# Altium PCB bms_R00.PcbDoc (part 2 of 3)
Units mm, origin at the board's own origin, x right, y up, seen from the top; angles counter-clockwise.
Board outline 110 x 142 mm, 2 copper layers (Top Layer, Bottom Layer); 311 components, 169 nets, 819 pads, 521 vias.
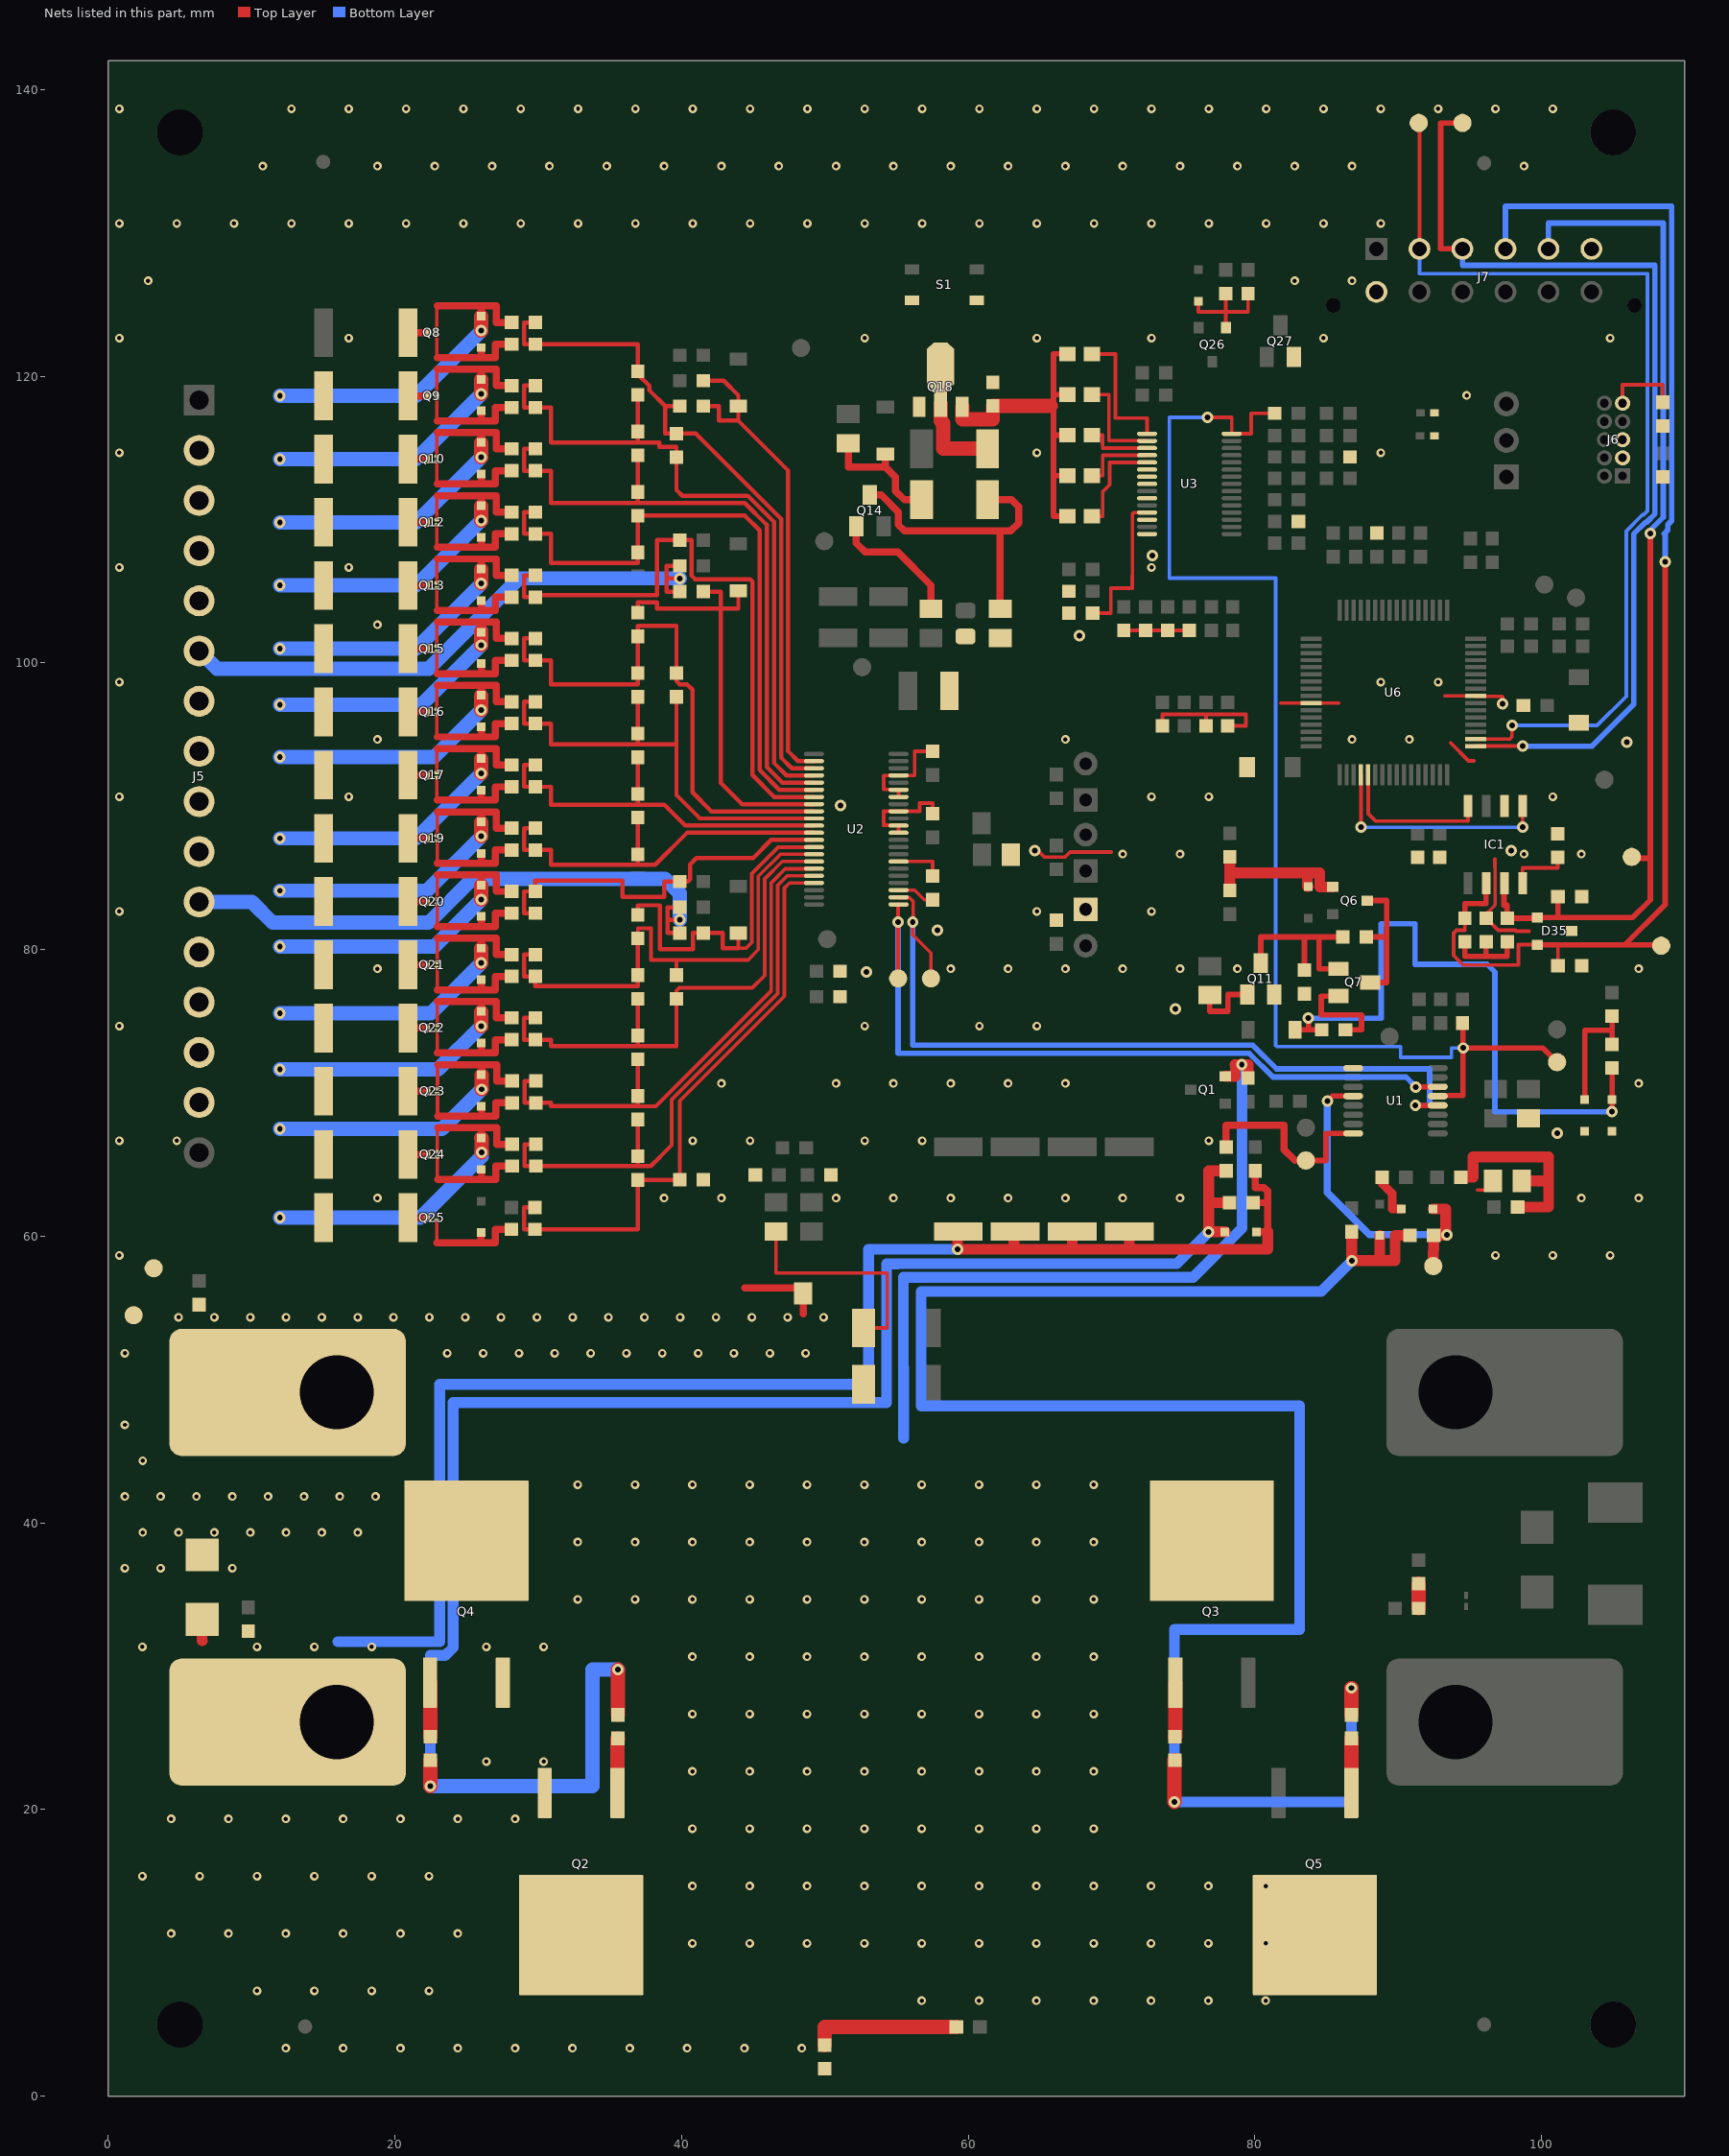
[diagram p2: the nets of this part, all layers, seen from the top]

## Via types
v1: diameter 0.6, hole 0.3, Top Layer to Bottom Layer, tented both sides, 380 vias
v2: diameter 0.8, hole 0.4, Top Layer to Bottom Layer, tented both sides, 141 vias

## Nets (pads, with @x,y where several pads share a name; then routed paths per layer and width w, separated by ;. In a path a pad name is that pad's centre, name@x,y a point inside that pad or via, vN(x,y) a via of type N, cw(c..) or ccw(c..) an arc to the next point about the centre after c; other vN are vias at no path point) (continued)
BATT+: C3.1 D1.K D4.2 J3.1 Q2.3 Q4.3 R4.1 R5.2 R6.2 R7.2 R8.2 R10.2 R12.2 | length 106.8
  Top Layer w0.5: R10.2@79.883,62.332 80.899,62.332 ; R12.2@80.035,64.555 80.035,63.398 80.646,63.398 80.899,63.145 80.899,62.332 ; D4.2@80.119,60.3 80.899,60.3 80.899,62.332
  Top Layer w0.75: D1.K@6.553,33.259 6.553,31.775 6.579,31.775 ; R5.2@59.309,60.322 59.258,60.272 v2(59.258,59.08) 63.195,59.08 ; R6.2@63.288,60.322 63.195,60.322 63.195,59.08 ; R7.2@67.268,60.322 67.268,59.08 ; R8.2@71.247,60.322 71.247,59.08 ; 80.899,60.3 80.899,59.08 71.247,59.08 ; 63.195,59.08 67.268,59.08 ; 67.268,59.08 71.247,59.08
  Bottom Layer w0.75: 16.027,31.699 23.124,31.699 23.124,49.657 53.061,49.657 53.061,59.08 v2(59.258,59.08)
  other v1: 12.389,3.344 16.389,3.344 20.389,3.344 24.389,3.344 28.389,3.344 32.389,3.344 36.389,3.344 40.389,3.344 44.389,3.344 48.389,3.344 10.389,7.344 14.389,7.344 18.389,7.344 22.389,7.344 4.389,11.344 8.389,11.344 12.389,11.344 16.389,11.344 20.389,11.344 24.389,11.344 2.389,15.344 6.389,15.344 10.389,15.344 14.389,15.344 18.389,15.344 22.389,15.344 4.389,19.344 8.389,19.344 12.389,19.344 16.389,19.344 20.389,19.344 24.389,19.344 28.389,19.344 26.389,23.344 30.389,23.344 2.389,31.344 10.389,31.344 14.389,31.344 18.389,31.344 26.389,31.344 30.389,31.344
BATT-: D1.A J1.1 NT1.2 R1.1 R2.1 R3.1 R81.1 TP20.1 | length 17.2
  Top Layer w0.254: R81.1@46.596,60.325 46.596,57.429 54.356,57.429 54.356,53.594 R2.1@52.7,53.594
  Top Layer w0.5: 48.489,54.585 NT1.2@48.489,55.626
  other v1: 1.161,36.834 3.661,36.834 8.661,36.834 2.411,39.334 4.911,39.334 7.411,39.334 9.911,39.334 12.411,39.334 14.911,39.334 17.411,39.334 1.161,41.834 3.661,41.834 6.161,41.834 8.661,41.834 11.161,41.834 13.661,41.834 16.161,41.834 18.661,41.834 2.411,44.334 1.161,46.834 1.161,51.834 23.661,51.834 26.161,51.834 28.661,51.834 31.161,51.834 33.661,51.834 36.161,51.834 38.661,51.834 41.161,51.834 43.661,51.834 46.161,51.834 48.661,51.834 4.911,54.334 7.411,54.334 9.911,54.334 12.411,54.334 14.911,54.334 17.411,54.334 19.911,54.334 22.411,54.334 24.911,54.334 27.411,54.334 29.911,54.334 32.411,54.334 34.911,54.334 37.411,54.334 39.911,54.334 42.411,54.334 44.911,54.334 47.411,54.334 49.911,54.334
C1: D27.2 J5.15 Q24.2 R76.1 R77.2 | length 25.8
  Top Layer w0.25: Q24.2@22.956,65.976 22.956,67.555
  Top Layer w0.254: 22.956,67.555 22.985,67.555
  Top Layer w0.5: 22.985,67.555 26.06,67.555 ; D27.2@26.06,66.857 26.06,67.555 ; R76.1@28.182,66.412 27.102,66.412 27.102,67.555 26.06,67.555
  Top Layer w1: D27.2@26.035,66.857 26.06,66.831 v2(26.06,65.837)
  Bottom Layer w1: v2(11.985,61.29) 21.793,61.29 26.06,65.557 v2(26.06,65.837)
C2: D26.2 J5.14 Q23.2 R73.1 R74.2 | length 24.9
  Top Layer w0.25: Q23.2@22.956,70.386 22.985,70.415 22.985,71.965
  Top Layer w0.254: 22.956,71.965 22.985,71.965
  Top Layer w0.5: 22.985,71.965 26.06,71.965 ; D26.2@26.06,71.267 26.06,71.965 ; R73.1@28.182,70.822 27.102,70.822 27.102,71.965 26.06,71.965
  Top Layer w1: v2(26.06,70.247) D26.2@26.06,71.242
  Bottom Layer w1: v2(11.985,67.479) 23.292,67.479 v2(26.06,70.247)
C3: D25.2 J5.13 Q22.2 R70.1 R71.2 | length 25
  Top Layer w0.25: Q22.2@22.931,74.797 22.96,74.826 22.96,76.376
  Top Layer w0.254: 22.931,76.376 22.96,76.376
  Top Layer w0.5: 22.96,76.376 26.035,76.376 ; D25.2@26.035,75.678 26.035,76.376 ; R70.1@28.156,75.233 27.076,75.233 27.076,76.376 26.035,76.376
  Top Layer w1: v2(26.035,74.658) D25.2@26.035,75.652
  Bottom Layer w1: v2(11.985,71.635) 23.012,71.635 v2(26.035,74.658)
C4: D24.2 J5.12 Q21.2 R67.1 R68.2 | length 25.2
  Top Layer w0.25: Q21.2@22.931,79.207 22.96,79.236 22.96,80.787
  Top Layer w0.254: 22.931,80.787 22.96,80.787
  Top Layer w0.5: 22.96,80.787 26.035,80.787 ; D24.2@26.035,80.088 26.035,80.787 ; R67.1@28.156,79.644 27.076,79.644 27.076,80.787 26.035,80.787
  Top Layer w1: v2(26.035,79.068) D24.2@26.035,80.062
  Bottom Layer w1: v2(11.985,75.538) 22.505,75.538 v2(26.035,79.068)
C5: D22.2 J5.11 Q20.2 R62.1 R63.1 R64.1 R65.2 | length 67.1
  Top Layer w0.25: Q20.2@22.931,83.618 22.96,83.647 22.96,85.197
  Top Layer w0.254: 22.931,85.197 22.96,85.197
  Top Layer w0.3: v2(39.878,82.067) 39.04,82.067 ; R64.1@39.879,81.143 39.04,81.143 39.04,82.067 ; R63.1@39.879,82.939 39.04,82.939 39.04,82.067
  Top Layer w0.5: 22.96,85.197 26.035,85.197 ; D22.2@26.035,84.499 26.035,85.197 ; R62.1@28.156,84.054 27.076,84.054 27.076,85.197 26.035,85.197
  Top Layer w1: v2(26.035,83.479) D22.2@26.035,84.473
  Bottom Layer w1: J5.11@6.35,83.323 10.022,83.323 11.481,81.864 22.352,81.864 25.425,84.938 38.862,84.938 39.878,83.922 v2(39.878,82.067) ; v2(11.985,80.202) 22.758,80.202 v2(26.035,83.479)
C6: D21.2 J5.10 Q19.2 R59.1 R60.2 | length 25.3
  Top Layer w0.25: Q19.2@22.931,88.028 22.96,88.057 22.96,89.608
  Top Layer w0.254: 22.931,89.608 22.96,89.608
  Top Layer w0.5: 22.96,89.608 26.035,89.608 ; D21.2@26.035,88.91 26.035,89.608 ; R59.1@28.156,88.465 27.076,88.465 27.076,89.608 26.035,89.608
  Top Layer w1: v2(26.035,87.889) D21.2@26.035,88.884
  Bottom Layer w1: v2(11.985,84.105) 22.25,84.105 v2(26.035,87.889)
C7: D20.2 J5.9 Q17.2 R55.1 R56.2 | length 25.6
  Top Layer w0.25: Q17.2@22.931,92.439 22.931,94.018
  Top Layer w0.254: 22.931,94.018 22.96,94.018
  Top Layer w0.5: 22.96,94.018 26.035,94.018 ; D20.2@26.035,93.319 26.035,94.018 ; R55.1@28.156,92.875 27.076,92.875 27.076,94.018 26.035,94.018
  Top Layer w1: v2(26.035,92.3) D20.2@26.035,93.295
  Bottom Layer w1: v2(11.985,87.753) 21.488,87.753 v2(26.035,92.3)
C8: D19.2 J5.8 Q16.2 R52.1 R53.2 | length 25
  Top Layer w0.25: Q16.2@22.931,96.849 22.931,98.429
  Top Layer w0.254: 22.931,98.429 22.96,98.429
  Top Layer w0.5: 22.96,98.429 26.035,98.429 ; D19.2@26.035,97.729 26.035,98.429 ; R52.1@28.156,97.286 27.076,97.286 27.076,98.429 26.035,98.429
  Top Layer w1: v2(26.035,96.71) D19.2@26.035,97.704
  Bottom Layer w1: v2(11.985,93.434) 22.759,93.434 v2(26.035,96.71)
C9: D18.2 J5.7 Q15.2 R49.1 R50.2 | length 25.4
  Top Layer w0.25: Q15.2@22.931,101.26 22.931,102.839
  Top Layer w0.254: 22.931,102.839 22.96,102.839
  Top Layer w0.5: 22.96,102.839 26.035,102.839 ; D18.2@26.035,102.14 26.035,102.839 ; R49.1@28.156,101.696 27.076,101.696 27.076,102.839 26.035,102.839
  Top Layer w1: v2(26.035,101.241) D18.2@26.035,102.14 ; D18.2@26.035,102.14 D18.2@26.035,102.235
  Bottom Layer w1: v2(11.985,97.082) 21.877,97.082 v2(26.035,101.241)
C10: D15.2 J5.6 Q13.2 R40.1 R43.1 R45.1 R46.2 | length 66.8
  Top Layer w0.25: Q13.2@22.931,105.67 22.931,107.25
  Top Layer w0.254: 22.931,107.25 22.96,107.25
  Top Layer w0.3: R45.1@39.879,104.969 38.964,104.969 38.964,105.893 ; R43.1@39.879,106.764 38.964,106.764 38.964,105.893 ; v2@39.903,105.893 v2(39.878,105.893) 38.964,105.893
  Top Layer w0.5: 22.96,107.25 26.035,107.25 ; D15.2@26.035,106.55 26.035,107.25 ; R40.1@28.156,106.107 27.076,106.107 27.076,107.25 26.035,107.25
  Top Layer w1: v2(26.035,105.531) D15.2@26.035,106.525
  Bottom Layer w1: J5.6@6.35,100.823 7.58,99.593 22.377,99.593 28.677,105.893 v2(39.878,105.893) ; v2(11.985,100.985) 21.489,100.985 v2(26.035,105.531)
C11: D14.2 J5.5 Q12.2 R37.1 R38.2 | length 25.6
  Top Layer w0.25: Q12.2@22.931,110.081 22.931,111.66
  Top Layer w0.254: 22.931,111.66 22.96,111.66
  Top Layer w0.5: 22.96,111.66 26.035,111.66 ; D14.2@26.035,110.962 26.035,111.66 ; R37.1@28.156,110.517 27.076,110.517 27.076,111.66 26.035,111.66
  Top Layer w1: v2(26.035,109.941) D14.2@26.035,110.936
  Bottom Layer w1: v2(11.985,105.395) 21.489,105.395 v2(26.035,109.941)
C12: D13.2 J5.4 Q10.2 R33.1 R35.2 | length 25.6
  Top Layer w0.25: Q10.2@22.931,114.492 22.931,116.071
  Top Layer w0.254: 22.931,116.071 22.96,116.071
  Top Layer w0.5: 22.96,116.071 26.035,116.071 ; D13.2@26.035,115.371 26.035,116.071 ; R33.1@28.156,114.928 27.076,114.928 27.076,116.071 26.035,116.071
  Top Layer w1: v2(26.035,114.351) D13.2@26.035,115.346
  Bottom Layer w1: v2(11.985,109.806) 21.49,109.806 v2(26.035,114.351)
C13: D11.2 J5.3 Q9.2 R30.1 R31.2 | length 25.6
  Top Layer w0.2: Q9.2@22.931,118.877 22.931,119.008
  Top Layer w0.25: 22.931,119.008 22.931,120.481
  Top Layer w0.254: 22.931,120.481 22.96,120.481
  Top Layer w0.5: 22.96,120.481 26.035,120.481 ; D11.2@26.035,119.783 26.035,120.481 ; R30.1@28.156,119.338 27.076,119.338 27.076,120.481 26.035,120.481
  Top Layer w1: v2(26.035,118.763) D11.2@26.035,119.758
  Bottom Layer w1: v2(11.985,114.217) 21.488,114.217 v2(26.035,118.763)
C14: D9.2 J5.2 Q8.2 R25.1 R28.2 | length 25.6
  Top Layer w0.25: Q8.2@22.931,123.313 22.931,124.892
  Top Layer w0.254: 22.931,124.892 22.96,124.892
  Top Layer w0.5: 22.96,124.892 26.035,124.892 ; D9.2@26.035,124.193 26.035,124.892 ; R25.1@28.156,123.749 27.076,123.749 27.076,124.892 26.035,124.892
  Top Layer w1: v2(26.035,123.174) D9.2@26.035,124.168
  Bottom Layer w1: v2(11.985,118.627) 21.488,118.627 v2(26.035,123.174)
"CAN0 RX": IC1.4 U6.21 | length 11
  Top Layer w0.254: U6.21@87.91,92.199 87.91,89.484 88.443,88.951 94.869,88.951 IC1.4@94.869,90.018
"CAN0 TX": IC1.1 U6.20 | length 16.4
  Top Layer w0.254: v2(87.41,88.527) U6.20@87.41,92.199 ; v2(98.679,88.544) IC1.1@98.679,90.018
  Bottom Layer w0.254: v2(87.41,88.527) 98.671,88.527 98.679,88.519 v2(98.679,88.544)
CANH: C56.2 D35.1 IC1.7 J7.5 R104.2 TP16.1 | length 73.8
  Top Layer w0.381: IC1.7@97.409,84.618 97.384,84.618 97.384,83.083 97.612,83.083 R104.2@97.612,82.181 99.714,82.181 D35.1@99.714,82.231 101.156,82.231 ; C56.2@101.156,83.693 101.156,82.231 ; TP16.1@106.299,86.462 106.299,86.36 107.592,86.36 ; v2(107.592,109.019) 107.592,86.36 ; 101.156,82.231 106.361,82.231 107.592,83.462 107.592,86.36
  Bottom Layer w0.381: J7.5@100.491,128.88 100.491,130.683 108.506,130.683 108.506,110.152 107.372,109.019 v2(107.592,109.019)
CANL: C59.1 D35.2 IC1.6 J7.4 R106.1 TP19.1 | length 92.5
  Top Layer w0.254: R106.1@94.666,82.181 94.666,81.333 94.068,81.333 93.876,81.142 93.876,79.585 94.544,78.918 98.402,78.918 98.402,80.331 D35.2@99.714,80.331 ; C59.1@101.156,78.867 101.156,80.331
  Top Layer w0.381: R106.1@94.666,82.181 94.666,83.21 96.139,83.21 IC1.6@96.139,84.618 ; D35.2@99.714,80.331 101.156,80.331 105.832,80.331 ; TP19.1@108.356,80.112 108.356,80.331 105.832,80.331 ; v2(108.636,107.036) 108.636,83.134 105.832,80.331
  Bottom Layer w0.381: J7.4@97.491,128.88 97.491,131.851 109.087,131.851 109.087,109.912 108.814,109.639 108.814,109.271 108.56,109.017 108.636,108.941 v2(108.636,107.036)
CAP1: C28.2 Q18.1 U2.7 | length 3.5
  Top Layer w0.254: U2.7@55.147,86.142 57.531,86.142 57.531,85.376 C28.2@57.277,85.122
CAP2: C25.2 U2.11 U2.12 U2.14 | length 7.3
  Top Layer w0.254: U2.11@55.147,88.142 U2.12@55.147,88.642 55.147,88.665 54.102,88.665 54.102,89.642 U2.14@55.147,89.642 56.628,89.642 56.628,90.221 57.531,90.221 C25.2@57.531,89.471
CAP3: C23.2 U2.16 U2.17 U2.19 | length 7.7
  Top Layer w0.254: U2.16@55.147,90.642 U2.17@55.147,91.142 55.147,91.165 54.102,91.165 54.102,92.142 U2.19@55.147,92.142 56.261,92.142 56.261,93.82 C23.2@57.531,93.82
CD: Q1.2 Q2.2 Q3.2 Q4.2 Q5.2 R9.2 | length 51.1
  Top Layer w0.75: Q1.2@77.933,71.156 78.638,71.156 78.638,71.933 78.613,71.958 v2(79.096,71.958) 79.527,71.958 R9.2@79.527,71.031
  Bottom Layer w0.75: 55.499,45.898 55.474,56.032 55.474,57.125 75.692,57.125 79.121,60.554 v2@79.121,71.958
  other v1: 56.755,6.654 60.755,6.654 64.755,6.654 68.755,6.654 72.755,6.654 76.755,6.654 80.755,6.654 40.755,10.654 44.755,10.654 48.755,10.654 52.755,10.654 56.755,10.654 60.755,10.654 64.755,10.654 68.755,10.654 72.755,10.654 76.755,10.654 80.755,10.654 40.755,14.654 44.755,14.654 48.755,14.654 52.755,14.654 56.755,14.654 60.755,14.654 64.755,14.654 68.755,14.654 72.755,14.654 76.755,14.654 80.755,14.654 40.755,18.654 44.755,18.654 48.755,18.654 52.755,18.654 56.755,18.654 60.755,18.654 64.755,18.654 68.755,18.654 40.755,22.654 44.755,22.654 48.755,22.654 52.755,22.654 56.755,22.654 60.755,22.654 64.755,22.654 68.755,22.654 40.755,26.654 44.755,26.654 48.755,26.654 52.755,26.654 56.755,26.654 60.755,26.654 64.755,26.654 68.755,26.654 40.755,30.654 44.755,30.654 48.755,30.654 52.755,30.654 56.755,30.654 60.755,30.654 64.755,30.654 68.755,30.654 32.755,34.654 36.755,34.654 40.755,34.654 44.755,34.654 48.755,34.654 52.755,34.654 56.755,34.654 60.755,34.654 64.755,34.654 68.755,34.654 32.755,38.654 36.755,38.654 40.755,38.654 44.755,38.654 48.755,38.654 52.755,38.654 56.755,38.654 60.755,38.654 64.755,38.654 68.755,38.654 32.755,42.654 36.755,42.654 40.755,42.654 44.755,42.654 48.755,42.654 52.755,42.654 56.755,42.654 60.755,42.654 64.755,42.654 68.755,42.654
CGATE: D4.1 L1.1 L2.1 R10.1 R13.1 | length 125.6
  Top Layer w0.75: D4.1@77.919,60.3 v2(76.784,60.3) 76.784,62.332 ; R13.1@78.003,64.555 76.784,64.555 76.784,62.332 ; R10.1@78.233,62.332 76.784,62.332
  Top Layer w1: v2(22.479,21.615) L2.1@22.479,23.432 ; L1.1@35.56,26.606 v2(35.56,29.769)
  Bottom Layer w0.75: v2(22.479,21.615) 22.479,30.749 23.518,30.749 24.074,31.306 24.074,48.387 54.305,48.387 54.305,58.064 55.07,58.064 55.08,58.075 74.559,58.075 v2(76.784,60.3)
  Bottom Layer w1: v2(22.479,21.615) 33.782,21.615 33.782,29.769 v2(35.56,29.769)
CHG: R13.2 TP1.1 U1.16 | length 14.3
  Top Layer w0.381: 82.804,65.278 TP1.1@83.566,65.278 84.974,65.278 84.974,67.169 U1.16@86.864,67.169
  Top Layer w0.5: R13.2@78.003,66.205 78.003,67.742 82.042,67.742 82.042,66.04 82.804,65.278
CHG_EN: TP3.1 U1.4 U2.2 | length 57.5
  Top Layer w0.254: U2.2@55.147,83.642 55.147,83.619 55.895,83.619 56.174,83.34 56.174,81.915 v2(56.134,81.915) 56.134,81.026 57.404,79.756 TP3.1@57.404,77.978
  Top Layer w0.381: v2(91.211,69.119) U1.4@92.764,69.119
  Bottom Layer w0.381: v2(56.134,81.915) 56.134,73.33 79.858,73.33 81.512,71.676 92.202,71.676 92.202,69.119 v2(91.211,69.119)
CP_EN: R91.2 RDNP3.2 TP4.1 U1.5 U3.15 | length 89.5
  Top Layer w0.254: v2(76.708,117.119) 78.388,117.119 U3.15@78.388,115.983 79.756,115.983 79.756,117.411 R91.2@81.395,117.411
  Top Layer w0.381: U1.5@92.764,69.769 92.764,69.803 94.536,69.803 94.536,74.867 RDNP3.2@94.488,74.867 ; v2(94.539,73.127) 100.101,73.127 TP4.1@101.092,72.136
  Bottom Layer w0.254: v2(76.708,117.119) 74.041,117.119 74.041,105.918 81.454,105.918 81.454,73.379 ; 81.454,73.314 81.537,73.231 90.17,73.231 90.17,72.469 93.716,72.469 93.716,73.127 v2(94.539,73.127)
DGATE: D5.1 L3.1 L4.1 R11.1 R15.1 | length 136.4
  Top Layer w0.75: R11.1@86.766,60.3 86.766,58.293 v2(86.792,58.293) 88.722,58.293 ; D5.1@88.722,60.046 88.722,58.293 ; R15.1@90.83,60.046 89.789,60.046 89.789,58.293 88.722,58.293
  Top Layer w1: v2(74.397,20.523) 74.397,23.432 L4.1@74.422,23.432 ; L3.1@86.741,26.606 v2(86.741,28.473)
  Bottom Layer w0.75: v2(86.741,28.473) 86.741,20.523 v2(74.397,20.523) 74.397,32.563 83.134,32.563 83.134,48.158 56.718,48.158 56.718,56.134 84.633,56.134 v2(86.792,58.293)
DSG: D6.1 R15.2 TP5.1 U1.12 | length 23.7
  Top Layer w0.381: v2(85.065,69.418) 85.414,69.769 U1.12@86.864,69.769
  Top Layer w0.75: D6.1@92.438,61.896 93.32,61.896 93.32,60.173 v2(93.396,60.096) ; TP5.1@92.456,57.912 R15.2@92.48,60.046 v2@93.396,60.046
  Bottom Layer w0.5: v2(85.065,69.418) 85.065,63.043 88.011,60.096 v2(93.396,60.096) v2@93.497,60.096
DSG_EN: TP6.1 U1.6 U2.1 | length 53
  Top Layer w0.254: TP6.1@55.118,77.978 v2(55.118,81.915) 55.118,83.142 U2.1@55.147,83.142
  Top Layer w0.381: v2(91.237,70.409) 91.237,70.419 U1.6@92.764,70.419
  Bottom Layer w0.381: v2(55.118,81.915) 55.118,72.749 79.617,72.749 81.271,71.095 90.551,71.095 v2(91.237,70.409)
GND: C6.1 C7.2 C18.1 C19.1 C21.1 C27.1 C28.1 C29.1 C31.1 C32.1 C40.1 C41.2 C43.1 C44.1 C45.1 C46.1 C47.1 C48.1 C49.1 C50.2 C51.1 C52.1 C53.2 C54.1 C55.1 C56.1 C57.2 C58.1 C59.2 D12.2 D35.3 DDNP1.2 IC1.2 J6.3 J6.5 J7.6 J7.7 NT1.1 Q11.2 Q27.2 R27.1 R58.1 R88.2 R89.2 R98.2 R99.2 R105.1 R107.2 R108.2 RT3.1 S1.3 S1.4 TP21.1 U1.9 U2.3 U3.21 U3.22 U3.23 U3.25 U3.28 U3.30 U4.1 U5.1 U6.10 U6.40 | length 47.3
  Top Layer w0.254: U2.3@55.147,84.142 56.269,84.142 56.939,83.472 C28.1@57.531,83.472 ; v2(64.643,86.893) 64.872,86.893 65.318,86.447 66.765,86.447 67.108,86.79 69.975,86.79 69.977,86.792 ; R89.2@70.866,102.26 C45.1@72.39,102.26 R88.2@73.914,102.26 C44.1@75.438,102.26 ; C48.1@73.558,95.593 73.558,96.395 76.606,96.395 ; C52.1@76.606,95.593 76.606,96.395 ; C51.1@78.104,95.593 79.375,95.593 79.375,96.395 76.606,96.395 ; 81.82,97.187 U6.10@83.922,97.187 85.845,97.187 ; R108.2@88.519,109.054 R108.2@88.671,109.207 ; 93.27,97.687 U6.40@95.398,97.687 95.421,97.664 97.23,97.664 97.282,97.612 v2(97.282,97.13) ; 93.675,94.412 94.92,93.167 95.301,93.167 ; 95.529,63.221 96.609,63.221 C7.2@96.609,63.856 ; 96.749,86.309 96.749,85.737 96.766,85.72 96.766,83.106 95.842,82.181 C58.1@96.139,82.181 96.987,81.333 98.21,81.333 98.263,81.28 99.136,81.28
  Top Layer w0.5: 44.425,56.388 NT1.1@48.489,56.388
  other v1: 0.787,58.655 96.787,58.655 100.787,58.655 104.787,58.655 18.787,62.655 38.787,62.655 42.787,62.655 50.787,62.655 54.787,62.655 58.787,62.655 62.787,62.655 66.787,62.655 70.787,62.655 74.787,62.655 102.787,62.655 106.787,62.655 0.787,66.655 4.787,66.655 40.787,66.655 44.787,66.655 52.787,66.655 56.787,66.655 76.787,66.655 42.787,70.655 50.787,70.655 54.787,70.655 58.787,70.655 62.787,70.655 66.787,70.655 106.787,70.655 0.787,74.655 52.787,74.655 60.787,74.655 64.787,74.655 18.787,78.655 58.787,78.655 62.787,78.655 66.787,78.655 70.787,78.655 74.787,78.655 78.787,78.655 106.787,78.655 0.787,82.655 64.787,82.655 72.787,82.655 70.787,86.655 74.787,86.655 98.787,86.655 102.787,86.655 0.787,90.655 16.787,90.655 72.787,90.655 76.787,90.655 100.787,90.655 18.787,94.655 66.787,94.655 86.787,94.655 90.787,94.655 0.787,98.655 88.787,98.655 92.787,98.655 18.787,102.655 0.787,106.655 16.787,106.655 72.787,106.655 0.787,114.655 64.787,114.655 88.787,114.655 94.787,118.655 0.787,122.655 16.787,122.655 52.787,122.655 64.787,122.655 72.787,122.655 84.787,122.655 104.787,122.655 2.787,126.655 82.787,126.655 86.787,126.655 0.787,130.655 4.787,130.655 8.787,130.655 12.787,130.655 16.787,130.655 20.787,130.655 24.787,130.655 28.787,130.655 32.787,130.655 36.787,130.655 40.787,130.655 44.787,130.655 48.787,130.655 52.787,130.655 56.787,130.655 60.787,130.655 64.787,130.655 68.787,130.655 72.787,130.655 76.787,130.655 80.787,130.655 84.787,130.655 88.787,130.655 10.787,134.655 18.787,134.655 22.787,134.655 26.787,134.655 30.787,134.655 34.787,134.655 38.787,134.655 42.787,134.655 46.787,134.655 50.787,134.655 54.787,134.655 58.787,134.655 62.787,134.655 66.787,134.655 70.787,134.655 74.787,134.655 78.787,134.655 82.787,134.655 86.787,134.655 98.787,134.655 0.787,138.655 12.787,138.655 16.787,138.655 20.787,138.655 24.787,138.655 28.787,138.655 32.787,138.655 36.787,138.655 40.787,138.655 44.787,138.655 48.787,138.655 52.787,138.655 56.787,138.655 60.787,138.655 64.787,138.655 68.787,138.655 72.787,138.655 76.787,138.655 80.787,138.655 84.787,138.655 88.787,138.655 92.787,138.655 96.787,138.655 100.787,138.655
  other v2: 101.117,67.183 74.473,75.844 52.908,78.435 57.861,81.331 97.892,86.893 51.105,90.043 105.943,94.463 67.767,101.905 72.847,107.493
"GND SENSE": J6.9 R107.1 | length 5.3
  Top Layer w0.254: J6.9@105.664,118.11 105.664,119.405 108.458,119.405 R107.1@108.458,118.173
LEDP: C32.2 D30.2 D31.2 D32.2 D33.2 D34.2 Q18.3 | length 24.2
  Top Layer w0.254: 65.964,116.985 65.964,117.018
  Top Layer w0.381: 65.964,116.985 65.964,115.887 ; 65.964,117.018 65.964,118.719 ; D34.2@66.93,110.223 65.964,110.223 65.964,113.055 ; D33.2@66.93,113.055 65.964,113.055 ; D32.2@66.93,115.887 65.964,115.887 ; D31.2@66.93,118.719 65.964,118.719 ; D30.2@66.93,121.551 65.964,121.551 65.964,118.719 ; 65.964,113.055 65.964,115.887
  Top Layer w1: Q18.3@59.586,117.861 59.586,116.985 61.722,116.985 C32.2@61.722,117.92 61.722,117.932 65.761,117.932
"LPUART0 RX": J7.2 TP17.1 U6.34 | length 68.8
  Top Layer w0.254: TP17.1@91.44,137.668 91.491,137.617 J7.2@91.491,128.88 ; U6.34@95.398,94.687 97.794,94.687 97.942,94.835 v2(97.942,95.631)
  Bottom Layer w0.254: J7.2@91.491,128.88 91.491,127.152 107.391,127.152 107.391,110.592 107.126,110.327 107.05,110.327 105.918,109.195 105.918,97.663 103.886,95.631 v2(97.942,95.631)
"LPUART0 TX": J7.3 TP18.1 U6.33 | length 70
  Top Layer w0.254: U6.33@95.398,94.187 v2(98.704,94.187)
  Top Layer w0.381: TP18.1@94.488,137.668 92.964,137.668 92.964,128.88 J7.3@94.491,128.88
  Bottom Layer w0.254: v2(98.704,94.187) v2@98.704,94.209
  Bottom Layer w0.381: J7.3@94.491,128.88 94.491,127.729 107.925,127.729 107.925,110.393 107.341,109.809 107.264,109.809 106.435,108.98 106.435,97.088 103.534,94.187 v2(98.704,94.187)
NetC1_1: C1.1 C2.2 | length 1.7
  Top Layer w1: C2.2@91.44,34.036 C1.1@91.44,35.751
NetC3_2: C3.2 C4.1 | length 10.4
  Top Layer w1: C3.2@50,3.555 50,4.826 C4.1@59.175,4.826
NetC7_1: C7.1 R16.1 R18.1 | length 15.1
  Top Layer w0.75: R18.1@94.367,64.11 95.225,64.11 95.225,65.532 100.508,65.532 100.508,63.856 ; R16.1@98.336,62.027 100.508,62.027 100.508,63.856 ; C7.1@98.641,63.856 100.508,63.856
NetC8_1: C8.1 D7.2 Q6.1 R19.1 | length 11.5
  Top Layer w0.75: R19.1@78.257,84.112 78.257,85.344 ; C8.1@78.257,86.462 78.257,85.344 ; D7.2@83.718,84.387 83.668,84.387 83.668,85.344 ; Q6.1@85.439,84.364 84.531,84.364 84.531,85.344 83.668,85.344 ; 78.257,85.344 83.668,85.344
NetC9_1: C9.1 C10.2 R24.2 R25.2 RDNP4.2 U2.25 | length 48.1
  Top Layer w0.3: R25.2@29.806,123.749 29.035,123.749 29.035,122.225 R24.2@29.806,122.225 36.957,122.225 C10.2@36.957,120.345 36.957,120.128 37.77,119.315 37.77,118.999 38.862,117.907 ; C9.1@39.879,117.907 38.862,117.907 ; U2.25@49.247,92.642 47.693,92.642 46.947,93.388 46.947,110.042 41.001,115.989 RDNP4.2@39.649,115.989 38.862,115.989 38.862,117.907
NetC9_2: C9.2 D8.2 R22.2 U2.24 | length 34.7
  Top Layer w0.3: C9.2@41.529,117.907 42.621,117.907 42.621,116.891 43.967,116.891 ; R22.2@41.529,119.685 42.951,119.685 43.967,118.669 D8.2@43.967,117.92 43.967,116.891 ; U2.24@49.247,93.142 48.133,93.142 47.447,93.828 47.447,113.411 43.967,116.891
NetC10_1: C10.1 C11.2 R29.2 R30.2 RDNP4.1 U2.26 | length 49.7
  Top Layer w0.3: R30.2@29.806,119.338 29.035,119.338 29.035,117.814 R29.2@29.806,117.814 30.886,117.814 30.886,115.367 36.957,115.367 ; C10.1@36.957,118.695 C11.2@36.957,116.132 36.957,115.367 ; U2.26@49.247,92.142 47.329,92.142 46.447,93.024 46.447,109.835 44.632,111.65 40.064,111.65 39.649,112.065 RDNP4.1@39.649,114.339 39.649,115.062 38.456,115.062 38.456,115.367 36.957,115.367
NetC11_1: C11.1 C12.2 R32.2 R33.2 U2.27 | length 46.4
  Top Layer w0.3: R33.2@29.806,114.928 29.035,114.928 29.035,113.404 R32.2@29.806,113.404 30.886,113.404 30.886,111.15 36.957,111.15 ; C12.2@36.715,111.963 C12.2@36.957,111.721 ; C11.1@36.957,114.482 C12.2@36.957,111.918 C12.2@36.957,111.721 ; U2.27@49.247,91.642 47.042,91.642 45.947,92.737 45.947,109.628 44.425,111.15 36.957,111.15 ; 36.957,111.15 C12.2@36.957,111.721
NetC12_1: C12.1 C13.2 R36.2 R37.2 U2.28 | length 45.6
  Top Layer w0.3: R37.2@29.806,110.517 29.035,110.517 29.035,108.993 R36.2@29.806,108.993 30.886,108.993 30.886,106.959 36.957,106.959 C13.2@36.957,107.705 C12.1@36.957,110.268 44.423,110.268 45.447,109.244 45.447,92.526 46.831,91.142 U2.28@49.247,91.142
NetC14_2: C14.2 R39.2 R40.2 U2.29 | length 43.2
  Top Layer w0.3: R40.2@29.806,106.107 29.035,106.107 29.035,104.583 R39.2@29.806,104.583 29.94,104.716 38.303,104.716 38.303,108.56 C14.2@39.879,108.56 40.704,108.56 40.704,106.082 40.949,105.838 44.784,105.838 44.947,105.675 44.947,92.162 46.467,90.642 U2.29@49.247,90.642
NetC16_1: C16.1 C20.2 R48.2 R49.2 RDNP7.2 U2.31 | length 40.1
  Top Layer w0.3: R49.2@29.806,101.696 29.035,101.696 29.035,100.172 R48.2@29.806,100.172 30.886,100.172 30.886,98.501 36.322,98.501 36.327,98.507 36.957,98.507 C20.2@36.957,99.278 C16.1@36.957,101.841 36.957,102.591 39.649,102.591 RDNP7.2@39.649,99.278 39.649,98.73 39.878,98.501 40.386,98.501 40.767,98.12 40.767,90.957 42.082,89.642 U2.31@49.247,89.642
NetC16_2: C16.2 D17.2 R45.2 U2.30 | length 31.1
  Top Layer w0.3: C16.2@36.957,103.491 36.957,104.216 38.278,104.216 38.278,103.784 42.748,103.784 ; R45.2@41.529,104.969 42.748,104.969 42.748,103.784 ; D17.2@43.967,105.031 43.967,103.784 42.748,103.784 ; U2.30@49.247,90.142 44.224,90.142 42.748,91.618 42.748,103.784
NetC18_2: C18.2 Q14.3 R44.1 | length 21.1
  Top Layer w0.5: Q14.3@53.147,111.717 53.942,111.717 55.143,110.515 55.143,109.626 55.575,109.195 62.231,109.195 ; R44.1@61.355,111.379 63.017,111.379 63.525,110.871 63.525,109.753 62.967,109.195 62.231,109.195 ; C18.2@62.231,103.759 62.231,109.195
NetC20_1: C20.1 C26.2 R51.2 R52.2 RDNP7.1 U2.32 | length 34.8
  Top Layer w0.3: R52.2@29.806,97.286 29.035,97.286 29.035,95.762 R51.2@29.806,95.762 30.886,95.762 30.886,94.31 36.957,94.31 ; C20.1@36.957,97.628 C26.2@36.957,95.064 36.957,94.31 ; RDNP7.1@39.649,97.628 39.649,94.31 ; U2.32@49.247,89.142 41.287,89.142 39.649,90.78 39.649,94.31 ; 36.957,94.31 39.649,94.31
NetC26_1: C26.1 C30.2 R54.2 R55.2 U2.33 | length 27.7
  Top Layer w0.3: R55.2@29.806,92.875 29.035,92.875 29.035,91.351 R54.2@29.806,91.351 30.886,91.351 30.886,90.094 36.957,90.094 ; C26.1@36.957,93.414 C30.2@36.957,90.851 36.957,90.094 ; U2.33@49.247,88.642 40.263,88.642 38.811,90.094 36.957,90.094
NetC30_1: C30.1 C33.2 R57.2 R59.2 U2.34 | length 27.8
  Top Layer w0.3: R59.2@29.806,88.465 29.035,88.465 29.035,86.941 R57.2@29.806,86.941 30.886,86.941 30.886,85.903 36.957,85.903 ; C30.1@36.957,89.201 C33.2@36.957,86.637 36.957,85.903 ; U2.34@49.247,88.142 40.39,88.142 38.151,85.903 36.957,85.903
NetC34_2: C34.2 R61.2 R62.2 U2.35 | length 27.3
  Top Layer w0.3: R61.2@29.806,82.53 29.035,82.53 29.035,84.054 R62.2@29.806,84.054 29.806,84.811 35.89,84.811 35.89,83.668 38.811,83.668 38.811,84.734 C34.2@39.879,84.734 40.437,84.734 40.615,84.912 40.615,85.954 41.046,86.385 45.009,86.385 46.265,87.642 U2.35@49.247,87.642
NetC35_1: C35.1 C36.2 R66.2 R67.2 RDNP8.2 U2.37 | length 36.5
  Top Layer w0.254: C35.1@36.957,80.774 36.957,81.483 37.871,81.483 37.871,79.273 39.649,79.273 ; RDNP8.2@39.649,78.21 39.649,79.273 ; U2.37@49.247,86.642 46.891,86.642 45.358,85.109 45.358,79.984 44.648,79.273 39.649,79.273
  Top Layer w0.3: R67.2@29.806,79.644 29.035,79.644 29.035,78.12 R66.2@29.806,78.12 29.806,77.445 36.957,77.445 C36.2@36.957,78.21 C35.1@36.957,80.774
NetC35_2: C35.2 D23.2 R64.2 U2.36 | length 25
  Top Layer w0.254: 43.967,80.086 44.501,80.086 44.904,80.49 44.904,85.297 46.749,87.142 U2.36@49.247,87.142
  Top Layer w0.3: C35.2@36.957,82.424 36.957,83.083 38.481,83.083 38.481,80.035 40.792,80.035 40.792,81.143 R64.2@41.529,81.143 42.875,81.143 42.875,80.086 43.967,80.086 D23.2@43.967,81.141
NetC36_1: C36.1 C37.2 R69.2 R70.2 RDNP8.1 U2.38 | length 37.8
  Top Layer w0.254: RDNP8.1@39.649,76.56 39.649,77.114 39.853,77.318 44.945,77.318 45.812,78.185 45.812,84.921 47.033,86.142 U2.38@49.247,86.142
  Top Layer w0.3: R70.2@29.806,75.233 29.035,75.233 29.035,73.709 R69.2@29.806,73.709 30.886,73.709 30.886,73.254 36.957,73.254 ; C36.1@36.957,76.56 C37.2@36.957,73.997 36.957,73.254 ; RDNP8.1@39.649,76.56 39.649,73.254 36.957,73.254
NetC37_1: C37.1 C38.2 R72.2 R73.2 U2.39 | length 37.3
  Top Layer w0.254: 36.957,69.063 38.213,69.063 46.266,77.116 46.266,84.66 47.225,85.619 U2.39@48.716,85.619 ; U2.39@48.739,85.642 U2.39@48.716,85.619 ; U2.39@49.247,85.619 U2.39@48.716,85.619
  Top Layer w0.3: R73.2@29.832,70.822 29.061,70.822 29.061,69.298 R72.2@29.832,69.298 30.886,69.298 30.886,69.063 36.957,69.063 C38.2@36.957,69.783 C37.1@36.957,72.347
NetC38_1: C38.1 C39.2 R75.2 R76.2 U2.40 | length 40.4
  Top Layer w0.254: 38.544,65.57 39.319,66.345 39.319,69.527 46.72,76.928 46.72,84.472 47.391,85.142 U2.40@49.247,85.142
  Top Layer w0.3: R76.2@29.832,66.412 29.061,66.412 29.061,64.888 R75.2@29.832,64.888 36.957,64.888 ; C38.1@36.957,68.133 C39.2@36.957,65.57 36.957,64.888 ; 38.544,65.57 37.862,64.888 36.957,64.888
NetC39_1: C39.1 C40.2 R78.2 R79.2 U2.41 | length 42.2
  Top Layer w0.254: C40.2@39.879,63.932 39.879,69.445 47.174,76.74 47.174,84.284 47.533,84.642 U2.41@49.247,84.642
  Top Layer w0.3: R79.2@29.781,62.001 29.01,62.001 29.01,60.477 R78.2@29.781,60.477 36.957,60.477 C39.1@36.957,63.92 36.957,63.932 C40.2@39.879,63.932
NetC47_2: C47.2 U3.27 | length 10.8
  Top Layer w0.254: C47.2@68.682,103.466 69.952,103.466 69.952,105.207 71.45,105.207 71.45,106.067 71.469,106.086 71.469,108.778 71.461,108.786 71.461,109.181 71.469,109.189 71.469,109.278 71.461,109.286 71.461,109.681 71.469,109.689 71.469,109.778 71.461,109.786 71.461,110.398 71.546,110.483 U3.27@72.488,110.483
NetC58_2: C58.2 R104.1 R106.2 | length 6
  Top Layer w0.381: R106.2@94.666,80.531 94.666,79.527 96.139,79.527 ; C58.2@96.139,80.531 96.139,79.527 ; R104.1@97.612,80.531 97.612,79.527 96.139,79.527
NetD6_2: D6.2 R17.2 | length 3.1
  Top Layer w0.6: R17.2@88.888,64.11 88.888,63.665 89.597,62.955 89.597,61.896 D6.2@90.238,61.896
NetD9_1: D9.1 Q8.1 R24.1 | length 8.4
  Top Layer w0.25: 22.931,121.183 22.931,121.295 Q8.1@22.931,122.763
  Top Layer w0.254: 22.931,121.295 22.96,121.295
  Top Layer w0.5: 22.96,121.295 26.035,121.295 ; D9.1@26.035,121.993 26.035,121.295 ; R24.1@28.156,122.225 27.026,122.225 27.026,121.295 26.035,121.295
NetD10_2: D10.2 D12.1 R26.1 RDNP5.2 | length 46.3
  Top Layer w0.381: D10.2@82.816,74.397 83.642,74.397 83.718,74.473 ; v2(83.744,75.209) 83.744,74.498 83.718,74.473 ; R26.1@84.671,74.397 83.718,74.397 83.718,74.473 ; v2(104.927,68.682) D12.1@104.927,69.528 RDNP5.2@104.927,71.73
  Bottom Layer w0.381: v2(83.744,75.209) 88.824,75.209 88.824,81.791 91.186,81.791 91.186,78.969 92.075,78.969 92.078,78.965 92.733,78.965 92.736,78.969 96.206,78.969 96.752,78.422 96.752,68.682 v2(104.927,68.682)
NetD11_1: D11.1 Q9.1 R29.1 | length 8.4
  Top Layer w0.25: 22.931,116.773 22.931,116.885 Q9.1@22.931,118.352
  Top Layer w0.254: 22.931,116.885 22.96,116.885
  Top Layer w0.5: 22.96,116.885 26.035,116.885 ; D11.1@26.035,117.583 26.035,116.885 ; R29.1@28.156,117.814 27.026,117.814 27.026,116.885 26.035,116.885
NetD13_1: D13.1 Q10.1 R32.1 | length 8.4
  Top Layer w0.25: 22.931,112.362 22.931,112.474 Q10.1@22.931,113.942
  Top Layer w0.254: 22.931,112.474 22.96,112.474
  Top Layer w0.5: 22.96,112.474 26.035,112.474 ; D13.1@26.035,113.171 26.035,112.474 ; R32.1@28.156,113.404 27.026,113.404 27.026,112.474 26.035,112.474
NetD14_1: D14.1 Q12.1 R36.1 | length 8.4
  Top Layer w0.25: 22.931,107.952 22.931,108.064 Q12.1@22.931,109.531
  Top Layer w0.254: 22.931,108.064 22.96,108.064
  Top Layer w0.5: 22.96,108.064 26.035,108.064 ; D14.1@26.035,108.762 26.035,108.064 ; R36.1@28.156,108.993 27.026,108.993 27.026,108.064 26.035,108.064
NetD15_1: D15.1 Q13.1 R39.1 | length 8.4
  Top Layer w0.25: 22.931,103.541 22.931,103.653 Q13.1@22.931,105.12
  Top Layer w0.254: 22.931,103.653 22.96,103.653
  Top Layer w0.5: 22.96,103.653 26.035,103.653 ; D15.1@26.035,104.35 26.035,103.653 ; R39.1@28.156,104.583 27.026,104.583 27.026,103.653 26.035,103.653
NetD16_1: D16.1 R41.1 R44.2 | length 9.2
  Top Layer w0.5: R41.1@51.645,115.316 51.645,113.665 54.229,113.665 ; D16.1@54.229,114.568 54.229,113.665 ; R44.2@56.755,111.379 55.55,111.379 54.94,111.989 54.94,112.954 54.229,113.665
NetD18_1: D18.1 Q15.1 R48.1 | length 8.4
  Top Layer w0.25: 22.931,99.131 22.931,99.243 Q15.1@22.931,100.71
  Top Layer w0.254: 22.931,99.243 22.96,99.243
  Top Layer w0.5: 22.96,99.243 26.035,99.243 ; D18.1@26.035,99.94 26.035,99.243 ; R48.1@28.156,100.172 27.026,100.172 27.026,99.243 26.035,99.243
NetD19_1: D19.1 Q16.1 R51.1 | length 8.4
  Top Layer w0.25: 22.931,94.72 22.931,94.832 Q16.1@22.931,96.299
  Top Layer w0.254: 22.931,94.832 22.96,94.832
  Top Layer w0.5: 22.96,94.832 26.035,94.832 ; D19.1@26.035,95.529 26.035,94.832 ; R51.1@28.156,95.762 27.026,95.762 27.026,94.832 26.035,94.832
NetD20_1: D20.1 Q17.1 R54.1 | length 8.4
  Top Layer w0.25: 22.931,90.31 22.931,90.421 Q17.1@22.931,91.889
  Top Layer w0.254: 22.931,90.421 22.96,90.421
  Top Layer w0.5: 22.96,90.421 26.035,90.421 ; D20.1@26.035,91.119 26.035,90.421 ; R54.1@28.156,91.351 27.026,91.351 27.026,90.421 26.035,90.421
NetD21_1: D21.1 Q19.1 R57.1 | length 8.4
  Top Layer w0.25: Q19.1@22.931,87.478 22.96,87.449 22.96,86.011 22.96,85.899
  Top Layer w0.254: 22.931,86.011 22.96,86.011
  Top Layer w0.5: 22.96,86.011 26.035,86.011 ; D21.1@26.035,86.709 26.035,86.011 ; R57.1@28.156,86.941 27.026,86.941 27.026,86.011 26.035,86.011
NetD22_1: D22.1 Q20.1 R61.1 | length 8.5
  Top Layer w0.2: Q20.1@22.931,83.093 22.96,83.064 22.96,82.962
  Top Layer w0.25: 22.96,81.489 22.96,81.6 22.96,82.962
  Top Layer w0.254: 22.931,81.6 22.96,81.6
  Top Layer w0.5: 22.96,81.6 26.035,81.6 ; D22.1@26.035,82.299 26.035,81.6 ; R61.1@28.156,82.53 27.026,82.53 27.026,81.6 26.035,81.6
NetD24_1: D24.1 Q21.1 R66.1 | length 8.5
  Top Layer w0.2: Q21.1@22.931,78.682 22.96,78.653 22.96,78.41
  Top Layer w0.25: 22.96,77.078 22.96,77.19 22.96,78.41
  Top Layer w0.254: 22.931,77.19 22.96,77.19
  Top Layer w0.5: 22.96,77.19 26.035,77.19 ; D24.1@26.035,77.888 26.035,77.19 ; R66.1@28.156,78.12 27.026,78.12 27.026,77.19 26.035,77.19
NetD25_1: D25.1 Q22.1 R69.1 | length 8.5
  Top Layer w0.2: Q22.1@22.931,74.272 22.96,74.243 22.96,74.016
  Top Layer w0.25: 22.96,72.668 22.96,72.779 22.96,74.016
  Top Layer w0.254: 22.931,72.779 22.96,72.779
  Top Layer w0.5: 22.96,72.779 26.035,72.779 ; D25.1@26.035,73.478 26.035,72.779 ; R69.1@28.156,73.709 27.026,73.709 27.026,72.779 26.035,72.779
NetD26_1: D26.1 Q23.1 R72.1 | length 8.5
  Top Layer w0.2: Q23.1@22.956,69.861 22.985,69.832 22.985,69.73
  Top Layer w0.25: 22.985,68.257 22.985,68.369 22.985,69.73
  Top Layer w0.254: 22.956,68.369 22.985,68.369
  Top Layer w0.5: 22.985,68.369 26.06,68.369 ; D26.1@26.06,69.067 26.06,68.369 ; R72.1@28.182,69.298 27.051,69.298 27.051,68.369 26.06,68.369
NetD27_1: D27.1 Q24.1 R75.1 | length 8.4
  Top Layer w0.25: 22.956,63.847 22.956,63.958 Q24.1@22.956,65.426
  Top Layer w0.254: 22.956,63.958 22.985,63.958
  Top Layer w0.5: 22.985,63.958 26.06,63.958 ; D27.1@26.06,64.657 26.06,63.958 ; R75.1@28.182,64.888 27.051,64.888 27.051,63.958 26.06,63.958
NetD28_1: D28.1 Q25.1 R78.1 | length 8.4
  Top Layer w0.25: Q25.1@22.906,61.015 22.935,60.986 22.935,59.548 22.935,59.436
  Top Layer w0.254: 22.906,59.548 22.935,59.548
  Top Layer w0.5: 22.935,59.548 26.01,59.548 ; D28.1@26.01,60.246 26.01,59.548 ; R78.1@28.131,60.477 27,60.477 27,59.548 26.01,59.548
NetD29_2: D29.2 Q26.1 R82.2 R83.2 | length 7.9
  Top Layer w0.254: D29.2@76.073,125.227 76.073,124.485 77.978,124.485 ; R82.2@77.978,125.769 77.978,124.485 ; Q26.1@77.988,123.392 77.978,123.392 77.978,124.485 ; R83.2@79.527,125.769 79.527,124.485 77.978,124.485
NetD30_1: D30.1 U3.16 | length 9.4
  Top Layer w0.254: D30.1@68.63,121.551 70.282,121.551 70.282,117.069 72.488,117.069 U3.16@72.488,115.983
NetD31_1: D31.1 U3.17 | length 7.1
  Top Layer w0.254: D31.1@68.63,118.719 69.825,118.719 69.825,115.506 72.488,115.506 U3.17@72.488,115.483
NetD32_1: D32.1 U3.18 | length 4.7
  Top Layer w0.254: D32.1@68.63,115.887 69.371,115.887 69.371,115.318 69.393,115.296 69.393,114.983 U3.18@72.488,114.983
NetD33_1: D33.1 U3.19 | length 5.3
  Top Layer w0.254: D33.1@68.63,113.055 69.393,113.055 69.393,114.483 U3.19@72.488,114.483
NetD34_1: D34.1 U3.20 | length 7.3
  Top Layer w0.254: D34.1@68.63,110.223 69.393,110.223 69.393,111.94 69.875,112.422 69.875,113.983 U3.20@72.488,113.983
NetDDNP1_1: DDNP1.1 RDNP5.1 RDNP6.2 | length 8.7
  Top Layer w0.381: DDNP1.1@103.022,69.528 103.022,74.371 104.927,74.371 ; RDNP5.1@104.927,73.38 104.927,74.371 ; RDNP6.2@104.927,75.35 104.927,74.371
NetIC1_8: IC1.8 R105.2 | length 4.3
  Top Layer w0.254: IC1.8@98.679,84.618 98.679,85.7 101.143,85.7 R105.2@101.143,86.424
NetL1_2: L1.2 Q2.1 | length 3.8
  Top Layer w1: Q2.1@35.54,21.15 35.54,24.936 L1.2@35.56,24.956
NetL2_2: L2.2 Q4.1 | length 3.8
  Top Layer w1: Q4.1@22.46,28.85 22.479,28.831 L2.2@22.479,25.082
NetL3_2: L3.2 Q5.1 | length 3.8
  Top Layer w1: Q5.1@86.73,21.15 86.73,24.956 L3.2@86.741,24.956
NetL4_2: L4.2 Q3.1 | length 3.8
  Top Layer w1: L4.2@74.422,25.082 74.46,25.12 Q3.1@74.46,28.85
NetQ6_3: Q6.3 Q7.3 R21.2 | length 9.7
  Top Layer w0.381: R21.2@87.781,80.874 89.205,80.874 ; Q6.3@87.839,83.414 89.205,83.414 89.205,80.874 ; Q7.3@88.036,77.699 89.205,77.699 89.205,80.874
NetQ7_1: Q7.1 Q11.3 R21.1 R27.2 | length 13.4
  Top Layer w0.381: Q11.3@80.416,79.053 80.416,80.874 83.464,80.874 ; R27.2@83.464,78.562 83.464,80.874 ; Q7.1@85.836,78.649 84.48,78.649 84.48,80.874 ; R21.1@86.131,80.874 84.48,80.874 ; 83.464,80.874 84.48,80.874
NetQ7_2: Q7.2 R26.2 | length 7.5
  Top Layer w0.381: Q7.2@85.836,76.749 84.633,76.749 84.633,75.438 87.452,75.438 87.452,74.397 R26.2@86.321,74.397
NetQ8_3: Q8.3 R23.1 | length 1.3
  Top Layer w0.5: R23.1@20.933,123.038 Q8.3@22.227,123.038
NetQ9_3: Q9.3 R28.1 | length 1.3
  Top Layer w0.5: R28.1@20.933,118.627 Q9.3@22.227,118.627
NetQ10_3: Q10.3 R31.1 | length 1.3
  Top Layer w0.5: R31.1@20.933,114.217 Q10.3@22.227,114.217
NetQ11_1: Q11.1 R34.1 | length 4.9
  Top Layer w0.381: R34.1@76.86,76.81 76.86,75.692 78.13,75.692 78.13,76.853 Q11.1@79.466,76.853
NetQ12_3: Q12.3 R35.1 | length 1.3
  Top Layer w0.5: R35.1@20.933,109.806 Q12.3@22.227,109.806
NetQ13_3: Q13.3 R38.1 | length 1.3
  Top Layer w0.5: R38.1@20.933,105.395 Q13.3@22.227,105.395
NetQ14_1: Q14.1 R47.2 | length 9.2
  Top Layer w0.5: Q14.1@52.197,109.517 52.197,108.356 52.822,107.732 55.082,107.732 57.404,105.41 R47.2@57.404,103.759
NetQ15_3: Q15.3 R46.1 | length 1.3
  Top Layer w0.5: R46.1@20.933,100.985 Q15.3@22.227,100.985
NetQ16_3: Q16.3 R50.1 | length 1.3
  Top Layer w0.5: R50.1@20.933,96.574 Q16.3@22.227,96.574
NetQ17_3: Q17.3 R53.1 | length 1.3
  Top Layer w0.5: R53.1@20.933,92.164 Q17.3@22.227,92.164
NetQ18_2: Q18.2 Q18.4 R42.1 | length 8.9
  Top Layer w0.254: Q18.2@58.086,118.061 Q18.4@58.086,120.661
  Top Layer w1: Q18.2@58.086,118.061 58.086,116.894 58.255,116.726 58.255,114.935 R42.1@61.355,114.935
NetQ19_3: Q19.3 R56.1 | length 1.3
  Top Layer w0.5: R56.1@20.933,87.753 Q19.3@22.227,87.753
NetQ20_3: Q20.3 R60.1 | length 1.3
  Top Layer w0.5: R60.1@20.933,83.343 Q20.3@22.227,83.343
NetQ21_3: Q21.3 R65.1 | length 1.3
  Top Layer w0.5: R65.1@20.933,78.932 Q21.3@22.227,78.932
NetQ22_3: Q22.3 R68.1 | length 1.3
  Top Layer w0.5: R68.1@20.933,74.522 Q22.3@22.227,74.522
NetQ23_3: Q23.3 R71.1 | length 1.3
  Top Layer w0.5: R71.1@20.933,70.111 Q23.3@22.227,70.111
NetQ24_3: Q24.3 R74.1 | length 1.3
  Top Layer w0.5: R74.1@20.933,65.701 Q24.3@22.227,65.701
NetQ25_3: Q25.3 R77.1 | length 1.3
  Top Layer w0.5: R77.1@20.933,61.29 Q25.3@22.227,61.29